# Altium PCB PCB1.PcbDoc (part 4 of 5)
Units mil, origin at the board's own origin, x right, y up, seen from the top; angles counter-clockwise.
Board outline 6250.19 x 5128.14 mil, 2 copper layers (Top Layer, Bottom Layer); 140 components, 0 nets, 729 pads, 141 vias.
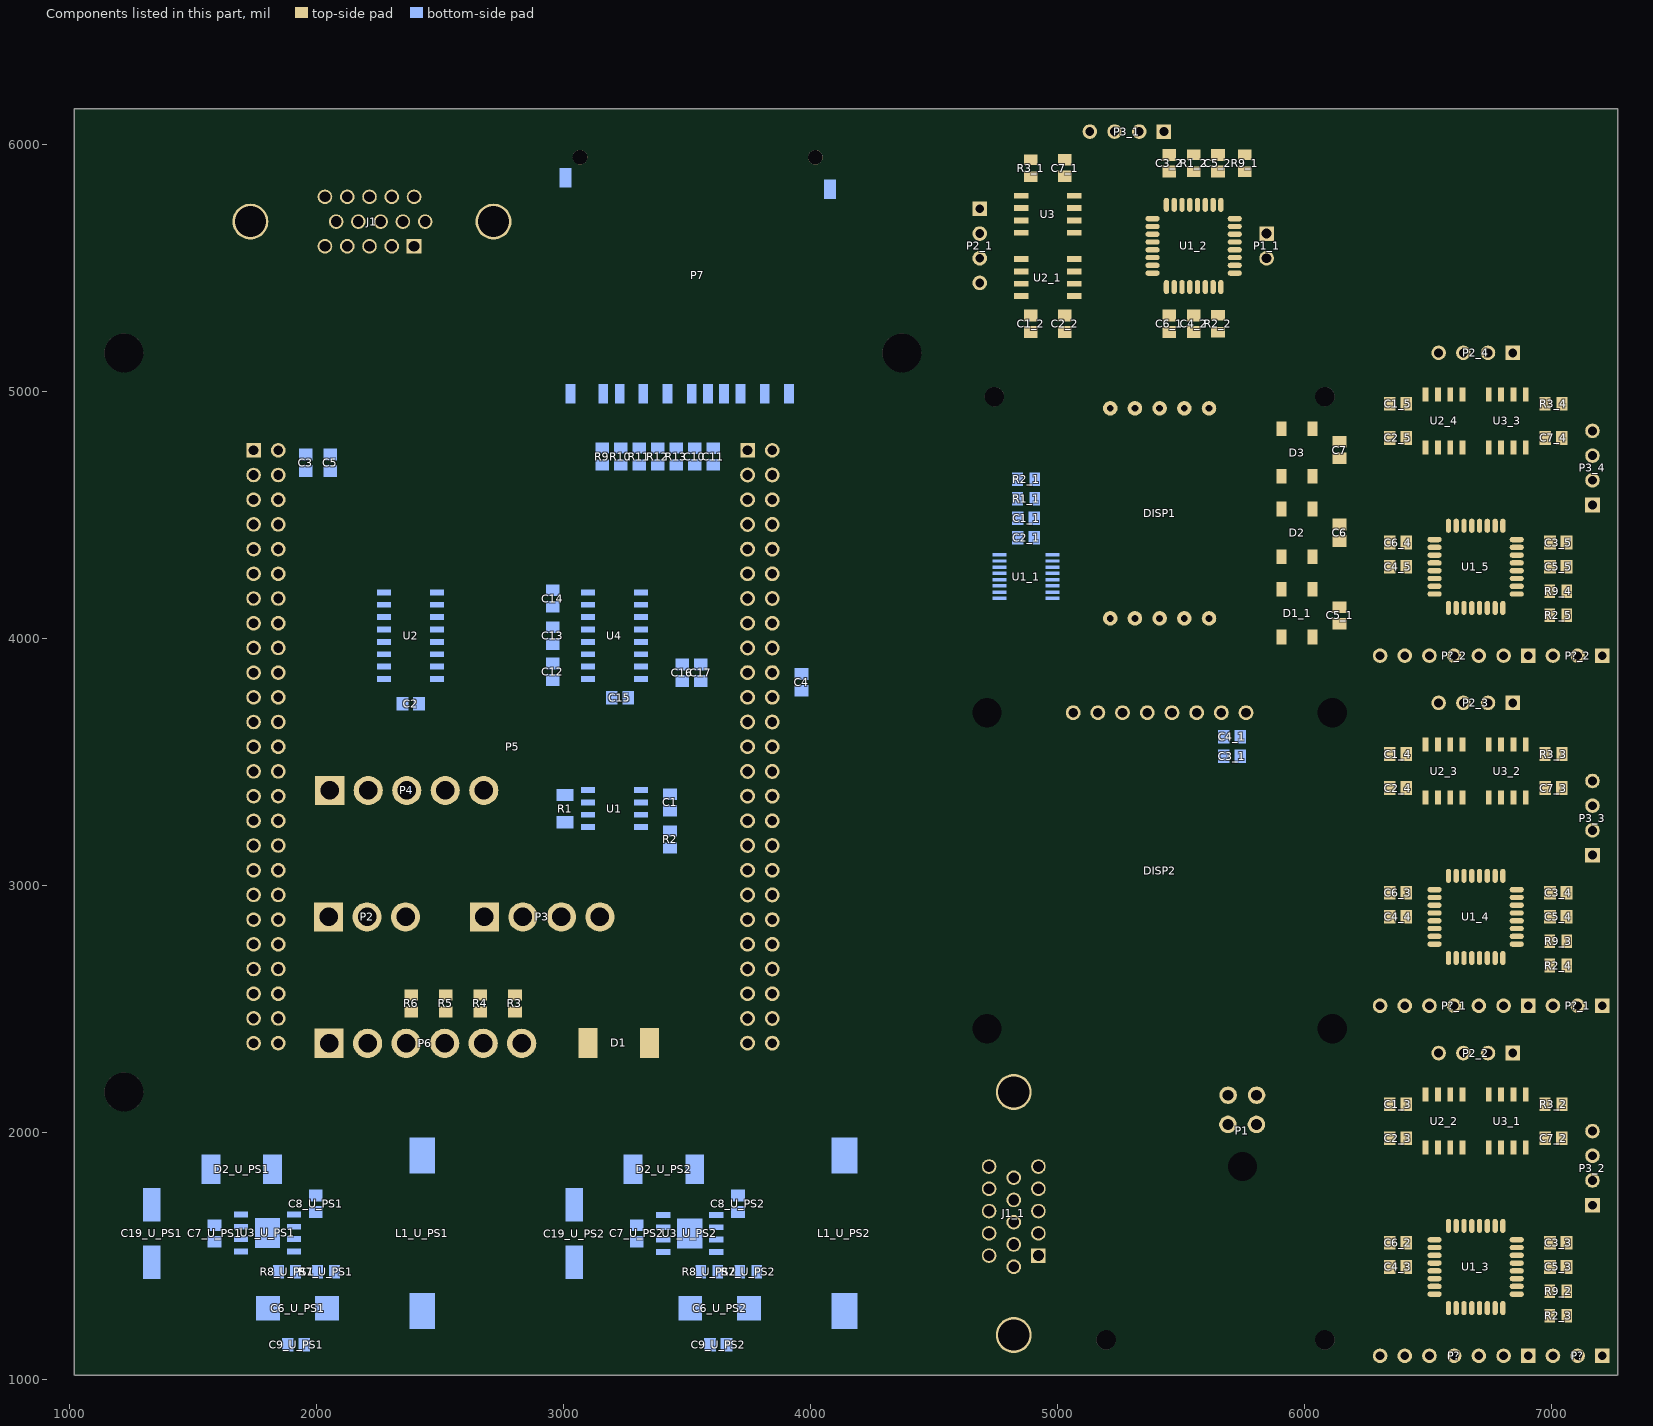
[diagram p4: the components of this part, seen from the top]

## Via types
v1: diameter 35.43/35.43 (per signal layer), hole 11.81, Top Layer to Bottom Layer, tented both sides, 115 vias
v2: diameter 47.24/47.24 (per signal layer), hole 19.68, Top Layer to Bottom Layer, tented both sides, 14 vias
v3: diameter 35.43, hole 11.81, Top Layer to Bottom Layer, tented both sides, 12 vias

## Nets (pads, with @x,y where several pads share a name; then routed paths per layer and width w, separated by ;. In a path a pad name is that pad's centre, name@x,y a point inside that pad or via, vN(x,y) a via of type N, cw(c..) or ccw(c..) an arc to the next point about the centre after c; other vN are vias at no path point) (continued)
copper on no net: (continued)
  Bottom Layer w1: 5490.7,1420.62 5493.7,1420.62 ; 5490.7,1421.62 5495.7,1421.62 ; 5490.7,1422.62 5496.7,1422.62 ; 5490.7,1423.62 5497.7,1423.62 ; 5490.7,1497.62 5512.7,1497.62 ; 5491.7,1285.62 5681.7,1285.62 ; 5491.7,1381.62 5499.7,1381.62 ; 5491.7,1511.62 5686.7,1511.62 ; 5492.7,1286.62 5679.7,1286.62 ; 5493.7,1287.62 5678.7,1287.62 ; 5493.7,1382.62 5499.7,1382.62 ; 5493.7,1496.62 5511.7,1496.62 ; 5494.7,1383.62 5499.7,1383.62 ; 5494.7,1510.62 5680.7,1510.62 ; 5495.7,1288.62 5677.7,1288.62 ; 5495.7,1384.62 5499.7,1384.62 ; 5495.7,1495.62 5511.7,1495.62 ; 5496.7,1289.62 5676.7,1289.62 ; 5496.7,1313.62 5508.7,1313.62 ; 5496.7,1314.62 5509.7,1314.62 ; 5496.7,1315.62 5509.7,1315.62 ; 5496.7,1385.62 5499.7,1385.62 ; 5497.7,1311.62 5506.7,1311.62 ; 5497.7,1312.62 5507.7,1312.62 ; 5497.7,1316.62 5510.7,1316.62 ; 5497.7,1317.62 5510.7,1317.62 ; 5497.7,1509.62 5674.7,1509.62 ; 5498.7,1290.62 5675.7,1290.62 ; 5498.7,1310.62 5505.7,1310.62 ; 5498.7,1318.62 5510.7,1318.62 ; 5498.7,1319.62 5511.7,1319.62 ; 5498.7,1386.62 5513.7,1386.62 ; 5498.7,1494.62 5511.7,1494.62 ; 5499.7,1309.62 5504.7,1309.62 ; 5499.7,1320.62 5511.7,1320.62 ; 5499.7,1321.62 5511.7,1321.62 ; 5499.7,1387.62 5516.7,1387.62 ; 5500.7,1291.62 5674.7,1291.62 ; 5500.7,1308.62 5503.7,1308.62 ; 5501.7,1493.62 5511.7,1493.62 ; 5501.7,1508.62 5669.7,1508.62 ; 5502.7,1292.62 5674.7,1292.62 ; 5504.7,1492.62 5514.7,1492.62 ; 5505.7,1293.62 5674.7,1293.62 ; 5505.7,1507.62 5664.7,1507.62 ; 5507.7,1491.62 5526.7,1491.62 ; 5508.7,1294.62 5673.7,1294.62 ; 5508.7,1506.62 5659.7,1506.62 ; 5511.7,1295.62 5673.7,1295.62 ; 5511.7,1388.62 5519.7,1388.62 ; 5511.7,1438.62 5513.7,1438.62 ; 5511.7,1439.62 5513.7,1439.62 ; 5511.7,1440.62 5513.7,1440.62 ; 5511.7,1441.62 5513.7,1441.62 ; 5511.7,1490.62 5526.7,1490.62 ; 5512.7,1434.62 5514.7,1434.62 ; 5512.7,1435.62 5514.7,1435.62 ; 5512.7,1436.62 5513.7,1436.62 ; 5512.7,1437.62 5513.7,1437.62 ; 5512.7,1505.62 5654.7,1505.62 ; 5513.7,1431.62 5515.7,1431.62 ; 5513.7,1432.62 5515.7,1432.62 ; 5513.7,1433.62 5514.7,1433.62 ; 5513.7,1488.62 5514.7,1488.62 ; 5513.7,1489.62 5514.7,1489.62 ; 5513.7,1493.62 5514.7,1493.62 ; 5514.7,1296.62 5673.7,1296.62 ; 5514.7,1429.62 5516.7,1429.62 ; 5514.7,1430.62 5515.7,1430.62 ; 5514.7,1485.62 5515.7,1485.62 ; 5514.7,1486.62 5515.7,1486.62 ; 5514.7,1487.62 5515.7,1487.62 ; 5514.7,1499.62 5516.7,1499.62 ; 5515.7,1427.62 5517.7,1427.62 ; 5515.7,1428.62 5516.7,1428.62 ; 5515.7,1481.62 5517.7,1481.62 ; 5515.7,1482.62 5517.7,1482.62 ; 5515.7,1483.62 5516.7,1483.62 ; 5515.7,1484.62 5516.7,1484.62 ; 5516.7,1297.62 5673.7,1297.62 ; 5516.7,1389.62 5521.7,1389.62 ; 5516.7,1425.62 5518.7,1425.62 ; 5516.7,1426.62 5517.7,1426.62 ; 5516.7,1489.62 5527.7,1489.62 ; 5516.7,1492.62 5525.7,1492.62 ; 5516.7,1500.62 5518.7,1500.62 ; 5516.7,1504.62 5649.7,1504.62 ; 5517.7,1298.62 5673.7,1298.62 ; 5517.7,1423.62 5519.7,1423.62 ; 5517.7,1424.62 5518.7,1424.62 ; 5517.7,1439.62 5532.7,1439.62 ; 5517.7,1440.62 5537.7,1440.62 ; 5517.7,1441.62 5537.7,1441.62 ; 5517.7,1442.62 5537.7,1442.62 ; 5517.7,1443.62 5537.7,1443.62 ; 5517.7,1444.62 5537.7,1444.62 ; 5517.7,1493.62 5524.7,1493.62 ; 5518.7,1299.62 5673.7,1299.62 ; 5518.7,1300.62 5673.7,1300.62 ; 5518.7,1420.62 5521.7,1420.62 ; 5518.7,1421.62 5520.7,1421.62 ; 5518.7,1422.62 5520.7,1422.62 ; 5518.7,1436.62 5533.7,1436.62 ; 5518.7,1437.62 5532.7,1437.62 ; 5518.7,1438.62 5532.7,1438.62 ; 5518.7,1445.62 5520.7,1445.62 ; 5518.7,1446.62 5519.7,1446.62 ; 5518.7,1447.62 5519.7,1447.62 ; 5518.7,1448.62 5519.7,1448.62 ; 5519.7,1301.62 5673.7,1301.62 ; 5519.7,1390.62 5523.7,1390.62 ; 5519.7,1418.62 5522.7,1418.62 ; 5519.7,1419.62 5521.7,1419.62 ; 5519.7,1433.62 5530.7,1433.62 ; 5519.7,1434.62 5530.7,1434.62 ; 5519.7,1435.62 5534.7,1435.62 ; 5519.7,1487.62 5528.7,1487.62 ; 5519.7,1488.62 5528.7,1488.62 ; 5519.7,1494.62 5524.7,1494.62 ; 5519.7,1503.62 5645.7,1503.62 ; 5520.7,1302.62 5637.7,1302.62 ; 5520.7,1303.62 5636.7,1303.62 ; 5520.7,1417.62 5522.7,1417.62 ; 5520.7,1431.62 5531.7,1431.62 ; 5520.7,1432.62 5530.7,1432.62 ; 5520.7,1485.62 5529.7,1485.62 ; 5520.7,1486.62 5529.7,1486.62 ; 5520.7,1495.62 5522.7,1495.62 ; 5520.7,1501.62 5636.7,1501.62 ; 5520.7,1502.62 5640.7,1502.62 ; 5521.7,1304.62 5635.7,1304.62 ; 5521.7,1391.62 5524.7,1391.62 ; 5521.7,1415.62 5524.7,1415.62 ; 5521.7,1416.62 5523.7,1416.62 ; 5521.7,1428.62 5534.7,1428.62 ; 5521.7,1429.62 5533.7,1429.62 ; 5521.7,1430.62 5532.7,1430.62 ; 5521.7,1465.62 5535.7,1465.62 ; 5521.7,1466.62 5535.7,1466.62 ; 5521.7,1467.62 5535.7,1467.62 ; 5521.7,1468.62 5535.7,1468.62 ; 5521.7,1469.62 5535.7,1469.62 ; 5521.7,1470.62 5535.7,1470.62 ; 5521.7,1471.62 5534.7,1471.62 ; 5521.7,1472.62 5534.7,1472.62 ; 5521.7,1473.62 5534.7,1473.62 ; 5521.7,1483.62 5530.7,1483.62 ; 5521.7,1484.62 5530.7,1484.62 ; 5522.7,1305.62 5634.7,1305.62 ; 5522.7,1306.62 5634.7,1306.62 ; 5522.7,1392.62 5525.7,1392.62 ; 5522.7,1413.62 5525.7,1413.62 ; 5522.7,1414.62 5524.7,1414.62 ; 5522.7,1426.62 5537.7,1426.62 ; 5522.7,1427.62 5535.7,1427.62 ; 5522.7,1455.62 5536.7,1455.62 ; 5522.7,1456.62 5536.7,1456.62 ; 5522.7,1457.62 5535.7,1457.62 ; 5522.7,1458.62 5535.7,1458.62 ; 5522.7,1459.62 5535.7,1459.62 ; 5522.7,1460.62 5535.7,1460.62 ; 5522.7,1461.62 5535.7,1461.62 ; 5522.7,1462.62 5535.7,1462.62 ; 5522.7,1463.62 5535.7,1463.62 ; 5522.7,1464.62 5535.7,1464.62 ; 5522.7,1474.62 5533.7,1474.62 ; 5522.7,1475.62 5533.7,1475.62 ; 5522.7,1476.62 5533.7,1476.62 ; 5522.7,1477.62 5532.7,1477.62 ; 5522.7,1478.62 5532.7,1478.62 ; 5522.7,1479.62 5532.7,1479.62 ; 5522.7,1480.62 5531.7,1480.62 ; 5522.7,1481.62 5531.7,1481.62 ; 5522.7,1482.62 5530.7,1482.62 ; 5523.7,1307.62 5633.7,1307.62 ; 5523.7,1308.62 5632.7,1308.62 ; 5523.7,1411.62 5526.7,1411.62 ; 5523.7,1412.62 5525.7,1412.62 ; 5523.7,1425.62 5538.7,1425.62 ; 5523.7,1445.62 5536.7,1445.62 ; 5523.7,1446.62 5536.7,1446.62 ; 5523.7,1447.62 5536.7,1447.62 ; 5523.7,1448.62 5536.7,1448.62 ; 5523.7,1449.62 5536.7,1449.62 ; 5523.7,1450.62 5536.7,1450.62 ; 5523.7,1451.62 5536.7,1451.62 ; 5523.7,1452.62 5536.7,1452.62 ; 5523.7,1453.62 5536.7,1453.62 ; 5523.7,1454.62 5536.7,1454.62 ; 5524.7,1309.62 5632.7,1309.62 ; 5524.7,1310.62 5631.7,1310.62 ; 5524.7,1393.62 5526.7,1393.62 ; 5524.7,1394.62 5530.7,1394.62 ; 5524.7,1400.62 5526.7,1400.62 ; 5524.7,1401.62 5526.7,1401.62 ; 5524.7,1402.62 5526.7,1402.62 ; 5524.7,1403.62 5527.7,1403.62 ; 5524.7,1404.62 5527.7,1404.62 ; 5524.7,1409.62 5527.7,1409.62 ; 5524.7,1410.62 5526.7,1410.62 ; 5524.7,1423.62 5541.7,1423.62 ; 5524.7,1424.62 5540.7,1424.62 ; 5524.7,1500.62 5632.7,1500.62 ; 5525.7,1311.62 5631.7,1311.62 ; 5525.7,1395.62 5529.7,1395.62 ; 5525.7,1396.62 5528.7,1396.62 ; 5525.7,1397.62 5528.7,1397.62 ; 5525.7,1398.62 5548.7,1398.62 ; 5525.7,1399.62 5557.7,1399.62 ; 5525.7,1405.62 5527.7,1405.62 ; 5525.7,1406.62 5527.7,1406.62 ; 5525.7,1407.62 5527.7,1407.62 ; 5525.7,1408.62 5527.7,1408.62 ; 5525.7,1421.62 5544.7,1421.62 ; 5525.7,1422.62 5543.7,1422.62 ; 5525.7,1499.62 5628.7,1499.62 ; 5526.7,1312.62 5630.7,1312.62 ; 5526.7,1313.62 5630.7,1313.62 ; 5526.7,1420.62 5546.7,1420.62 ; 5527.7,1314.62 5629.7,1314.62 ; 5527.7,1393.62 5530.7,1393.62 ; 5527.7,1418.62 5549.7,1418.62 ; 5527.7,1419.62 5548.7,1419.62 ; 5527.7,1497.62 5620.7,1497.62 ; 5527.7,1498.62 5624.7,1498.62 ; 5528.7,1315.62 5629.7,1315.62 ; 5528.7,1417.62 5551.7,1417.62 ; 5528.7,1496.62 5616.7,1496.62 ; 5529.7,1316.62 5628.7,1316.62 ; 5529.7,1391.62 5531.7,1391.62 ; 5529.7,1392.62 5531.7,1392.62 ; 5529.7,1415.62 5553.7,1415.62 ; 5529.7,1416.62 5552.7,1416.62 ; 5529.7,1495.62 5612.7,1495.62 ; 5530.7,1317.62 5622.7,1317.62 ; 5530.7,1318.62 5622.7,1318.62 ; 5530.7,1390.62 5532.7,1390.62 ; 5530.7,1400.62 5567.7,1400.62 ; 5530.7,1413.62 5555.7,1413.62 ; 5530.7,1414.62 5554.7,1414.62 ; 5530.7,1493.62 5606.7,1493.62 ; 5530.7,1494.62 5609.7,1494.62 ; 5531.7,1319.62 5622.7,1319.62 ; 5531.7,1388.62 5533.7,1388.62 ; 5531.7,1389.62 5533.7,1389.62 ; 5531.7,1401.62 5564.7,1401.62 ; 5531.7,1411.62 5556.7,1411.62 ; 5531.7,1412.62 5555.7,1412.62 ; 5531.7,1492.62 5602.7,1492.62 ; 5532.7,1320.62 5622.7,1320.62 ; 5532.7,1387.62 5534.7,1387.62 ; 5532.7,1402.62 5562.7,1402.62 ; 5532.7,1403.62 5561.7,1403.62 ; 5532.7,1404.62 5560.7,1404.62 ; 5532.7,1405.62 5559.7,1405.62 ; 5532.7,1406.62 5559.7,1406.62 ; 5532.7,1407.62 5558.7,1407.62 ; 5532.7,1408.62 5558.7,1408.62 ; 5532.7,1409.62 5557.7,1409.62 ; 5532.7,1410.62 5557.7,1410.62 ; 5532.7,1490.62 5597.7,1490.62 ; 5532.7,1491.62 5599.7,1491.62 ; 5533.7,1321.62 5621.7,1321.62 ; 5533.7,1385.62 5535.7,1385.62 ; 5533.7,1386.62 5535.7,1386.62 ; 5533.7,1434.62 5535.7,1434.62 ; 5533.7,1489.62 5594.7,1489.62 ; 5534.7,1322.62 5621.7,1322.62 ; 5534.7,1383.62 5536.7,1383.62 ; 5534.7,1384.62 5536.7,1384.62 ; 5534.7,1487.62 5590.7,1487.62 ; 5534.7,1488.62 5592.7,1488.62 ; 5535.7,1323.62 5621.7,1323.62 ; 5535.7,1381.62 5537.7,1381.62 ; 5535.7,1382.62 5537.7,1382.62 ; 5535.7,1433.62 5536.7,1433.62 ; 5535.7,1439.62 5537.7,1439.62 ; 5535.7,1485.62 5586.7,1485.62 ; 5535.7,1486.62 5588.7,1486.62 ; 5536.7,1324.62 5620.7,1324.62 ; 5536.7,1379.62 5538.7,1379.62 ; 5536.7,1380.62 5538.7,1380.62 ; 5536.7,1432.62 5538.7,1432.62 ; 5536.7,1483.62 5585.7,1483.62 ; 5536.7,1484.62 5585.7,1484.62 ; 5537.7,1325.62 5620.7,1325.62 ; 5537.7,1377.62 5539.7,1377.62 ; 5537.7,1378.62 5539.7,1378.62 ; 5537.7,1431.62 5539.7,1431.62 ; 5537.7,1438.62 5538.7,1438.62 ; 5537.7,1481.62 5580.7,1481.62 ; 5537.7,1482.62 5587.7,1482.62 ; 5538.7,1326.62 5619.7,1326.62 ; 5538.7,1374.62 5541.7,1374.62 ; 5538.7,1375.62 5540.7,1375.62 ; 5538.7,1376.62 5540.7,1376.62 ; 5538.7,1478.62 5578.7,1478.62 ; 5538.7,1479.62 5578.7,1479.62 ; 5538.7,1480.62 5579.7,1480.62 ; 5539.7,1327.62 5618.7,1327.62 ; 5539.7,1372.62 5541.7,1372.62 ; 5539.7,1373.62 5541.7,1373.62 ; 5539.7,1430.62 5541.7,1430.62 ; 5539.7,1475.62 5574.7,1475.62 ; 5539.7,1476.62 5575.7,1476.62 ; 5539.7,1477.62 5578.7,1477.62 ; 5540.7,1328.62 5618.7,1328.62 ; 5540.7,1370.62 5542.7,1370.62 ; 5540.7,1371.62 5542.7,1371.62 ; 5540.7,1429.62 5542.7,1429.62 ; 5541.7,1329.62 5617.7,1329.62 ; 5541.7,1348.62 5542.7,1348.62 ; 5541.7,1367.62 5543.7,1367.62 ; 5541.7,1368.62 5543.7,1368.62 ; 5541.7,1369.62 5543.7,1369.62 ; 5542.7,1330.62 5616.7,1330.62 ; 5542.7,1349.62 5543.7,1349.62 ; 5542.7,1350.62 5545.7,1350.62 ; 5542.7,1351.62 5546.7,1351.62 ; 5542.7,1352.62 5548.7,1352.62 ; 5542.7,1353.62 5549.7,1353.62 ; 5542.7,1363.62 5544.7,1363.62 ; 5542.7,1364.62 5544.7,1364.62 ; 5542.7,1365.62 5544.7,1365.62 ; 5542.7,1366.62 5544.7,1366.62 ; 5542.7,1428.62 5543.7,1428.62 ; 5542.7,1474.62 5572.7,1474.62 ; 5543.7,1331.62 5615.7,1331.62 ; 5543.7,1332.62 5615.7,1332.62 ; 5543.7,1354.62 5551.7,1354.62 ; 5543.7,1355.62 5545.7,1355.62 ; 5543.7,1356.62 5545.7,1356.62 ; 5543.7,1357.62 5545.7,1357.62 ; 5543.7,1358.62 5545.7,1358.62 ; 5543.7,1359.62 5544.7,1359.62 ; 5543.7,1360.62 5544.7,1360.62 ; 5543.7,1361.62 5544.7,1361.62 ; 5543.7,1362.62 5544.7,1362.62 ; 5543.7,1427.62 5545.7,1427.62 ; 5544.7,1333.62 5614.7,1333.62 ; 5544.7,1334.62 5613.7,1334.62 ; 5544.7,1426.62 5546.7,1426.62 ; 5544.7,1473.62 5571.7,1473.62 ; 5545.7,1335.62 5612.7,1335.62 ; 5546.7,1336.62 5611.7,1336.62 ; 5546.7,1425.62 5547.7,1425.62 ; 5546.7,1472.62 5570.7,1472.62 ; 5547.7,1337.62 5609.7,1337.62 ; 5547.7,1471.62 5569.7,1471.62 ; 5548.7,1338.62 5608.7,1338.62 ; 5549.7,1339.62 5607.7,1339.62 ; 5549.7,1355.62 5553.7,1355.62 ; 5549.7,1470.62 5568.7,1470.62 ; 5550.7,1469.62 5566.7,1469.62 ; 5551.7,1340.62 5606.7,1340.62 ; 5551.7,1356.62 5556.7,1356.62 ; 5552.7,1468.62 5565.7,1468.62 ; 5553.7,1341.62 5572.7,1341.62 ; 5553.7,1357.62 5559.7,1357.62 ; 5553.7,1467.62 5563.7,1467.62 ; 5554.7,1466.62 5558.7,1466.62 ; 5556.7,1342.62 5571.7,1342.62 ; 5556.7,1358.62 5562.7,1358.62 ; 5556.7,1465.62 5558.7,1465.62 ; 5557.7,1464.62 5559.7,1464.62 ; 5558.7,1463.62 5560.7,1463.62 ; 5559.7,1343.62 5569.7,1343.62 ; 5559.7,1359.62 5566.7,1359.62 ; 5559.7,1462.62 5561.7,1462.62 ; 5560.7,1347.62 5564.7,1347.62 ; 5560.7,1348.62 5563.7,1348.62 ; 5560.7,1349.62 5563.7,1349.62 ; 5560.7,1399.62 5570.7,1399.62 ; 5560.7,1461.62 5562.7,1461.62 ; 5561.7,1344.62 5568.7,1344.62 ; 5561.7,1350.62 5563.7,1350.62 ; 5561.7,1351.62 5564.7,1351.62 ; 5561.7,1460.62 5578.7,1460.62 ; 5562.7,1346.62 5566.7,1346.62 ; 5562.7,1352.62 5565.7,1352.62 ; 5562.7,1360.62 5576.7,1360.62 ; 5562.7,1459.62 5578.7,1459.62 ; 5563.7,1345.62 5567.7,1345.62 ; 5563.7,1353.62 5566.7,1353.62 ; 5563.7,1458.62 5578.7,1458.62 ; 5564.7,1354.62 5567.7,1354.62 ; 5564.7,1398.62 5572.7,1398.62 ; 5564.7,1456.62 5578.7,1456.62 ; 5564.7,1457.62 5578.7,1457.62 ; 5564.7,1461.62 5578.7,1461.62 ; 5565.7,1355.62 5568.7,1355.62 ; 5565.7,1361.62 5577.7,1361.62 ; 5565.7,1455.62 5578.7,1455.62 ; 5566.7,1454.62 5578.7,1454.62 ; 5566.7,1462.62 5577.7,1462.62 ; 5567.7,1356.62 5569.7,1356.62 ; 5567.7,1397.62 5575.7,1397.62 ; 5567.7,1452.62 5578.7,1452.62 ; 5567.7,1453.62 5578.7,1453.62 ; 5567.7,1463.62 5577.7,1463.62 ; 5568.7,1357.62 5571.7,1357.62 ; 5568.7,1451.62 5578.7,1451.62 ; 5569.7,1358.62 5572.7,1358.62 ; 5569.7,1359.62 5574.7,1359.62 ; 5569.7,1362.62 5579.7,1362.62 ; 5569.7,1450.62 5577.7,1450.62 ; 5569.7,1464.62 5577.7,1464.62 ; 5570.7,1449.62 5577.7,1449.62 ; 5570.7,1465.62 5577.7,1465.62 ; 5571.7,1396.62 5577.7,1396.62 ; 5571.7,1447.62 5576.7,1447.62 ; 5571.7,1448.62 5577.7,1448.62 ; 5572.7,1363.62 5581.7,1363.62 ; 5572.7,1446.62 5576.7,1446.62 ; 5572.7,1466.62 5577.7,1466.62 ; 5573.7,1445.62 5576.7,1445.62 ; 5574.7,1395.62 5579.7,1395.62 ; 5574.7,1443.62 5575.7,1443.62 ; 5574.7,1444.62 5576.7,1444.62 ; 5574.7,1467.62 5577.7,1467.62 ; 5575.7,1341.62 5604.7,1341.62 ; 5575.7,1468.62 5577.7,1468.62 ; 5576.7,1364.62 5583.7,1364.62 ; 5576.7,1469.62 5577.7,1469.62 ; 5576.7,1470.62 5577.7,1470.62 ; 5576.7,1471.62 5577.7,1471.62 ; 5576.7,1472.62 5577.7,1472.62 ; 5576.7,1473.62 5577.7,1473.62 ; 5576.7,1474.62 5577.7,1474.62 ; 5576.7,1475.62 5577.7,1475.62 ; 5576.7,1476.62 5577.7,1476.62 ; 5577.7,1342.62 5602.7,1342.62 ; 5578.7,1343.62 5601.7,1343.62 ; 5578.7,1394.62 5582.7,1394.62 ; 5579.7,1365.62 5585.7,1365.62 ; 5579.7,1430.62 5593.7,1430.62 ; 5580.7,1344.62 5598.7,1344.62 ; 5580.7,1429.62 5593.7,1429.62 ; 5580.7,1431.62 5593.7,1431.62 ; 5580.7,1432.62 5592.7,1432.62 ; 5580.7,1433.62 5592.7,1433.62 ; 5580.7,1434.62 5592.7,1434.62 ; 5580.7,1435.62 5592.7,1435.62 ; 5580.7,1436.62 5592.7,1436.62 ; 5580.7,1437.62 5591.7,1437.62 ; 5580.7,1438.62 5591.7,1438.62 ; 5580.7,1439.62 5591.7,1439.62 ; 5580.7,1440.62 5591.7,1440.62 ; 5581.7,1393.62 5585.7,1393.62 ; 5581.7,1428.62 5593.7,1428.62 ; 5581.7,1441.62 5591.7,1441.62 ; 5581.7,1442.62 5590.7,1442.62 ; 5581.7,1443.62 5590.7,1443.62 ; 5581.7,1444.62 5590.7,1444.62 ; 5581.7,1445.62 5590.7,1445.62 ; 5581.7,1468.62 5590.7,1468.62 ; 5581.7,1469.62 5590.7,1469.62 ; 5581.7,1470.62 5591.7,1470.62 ; 5581.7,1471.62 5590.7,1471.62 ; 5581.7,1472.62 5589.7,1472.62 ; 5581.7,1473.62 5588.7,1473.62 ; 5581.7,1474.62 5587.7,1474.62 ; 5582.7,1345.62 5595.7,1345.62 ; 5582.7,1366.62 5586.7,1366.62 ; 5582.7,1427.62 5593.7,1427.62 ; 5582.7,1446.62 5589.7,1446.62 ; 5582.7,1447.62 5589.7,1447.62 ; 5582.7,1448.62 5589.7,1448.62 ; 5582.7,1449.62 5589.7,1449.62 ; 5582.7,1450.62 5589.7,1450.62 ; 5582.7,1451.62 5589.7,1451.62 ; 5582.7,1452.62 5589.7,1452.62 ; 5582.7,1458.62 5590.7,1458.62 ; 5582.7,1459.62 5590.7,1459.62 ; 5582.7,1460.62 5590.7,1460.62 ; 5582.7,1461.62 5590.7,1461.62 ; 5582.7,1462.62 5590.7,1462.62 ; 5582.7,1463.62 5590.7,1463.62 ; 5582.7,1464.62 5590.7,1464.62 ; 5582.7,1465.62 5590.7,1465.62 ; 5582.7,1466.62 5590.7,1466.62 ; 5582.7,1467.62 5590.7,1467.62 ; 5582.7,1475.62 5586.7,1475.62 ; 5582.7,1476.62 5585.7,1476.62 ; 5583.7,1426.62 5593.7,1426.62 ; 5583.7,1453.62 5589.7,1453.62 ; 5583.7,1454.62 5589.7,1454.62 ; 5583.7,1455.62 5589.7,1455.62 ; 5583.7,1456.62 5590.7,1456.62 ; 5583.7,1457.62 5590.7,1457.62 ; 5583.7,1477.62 5584.7,1477.62 ; 5584.7,1425.62 5593.7,1425.62 ; 5585.7,1367.62 5588.7,1367.62 ; 5585.7,1392.62 5587.7,1392.62 ; 5585.7,1424.62 5593.7,1424.62 ; 5586.7,1423.62 5593.7,1423.62 ; 5587.7,1422.62 5593.7,1422.62 ; 5587.7,1481.62 5589.7,1481.62 ; 5588.7,1391.62 5590.7,1391.62 ; 5588.7,1421.62 5593.7,1421.62 ; 5589.7,1420.62 5593.7,1420.62 ; 5589.7,1480.62 5613.7,1480.62 ; 5590.7,1418.62 5594.7,1418.62 ; 5590.7,1419.62 5594.7,1419.62 ; 5591.7,1417.62 5594.7,1417.62 ; 5591.7,1471.62 5593.7,1471.62 ; 5591.7,1474.62 5592.7,1474.62 ; 5591.7,1479.62 5610.7,1479.62 ; 5591.7,1481.62 5616.7,1481.62 ; 5592.7,1415.62 5595.7,1415.62 ; 5592.7,1416.62 5594.7,1416.62 ; 5592.7,1472.62 5598.7,1472.62 ; 5592.7,1473.62 5594.7,1473.62 ; 5592.7,1478.62 5607.7,1478.62 ; 5593.7,1413.62 5595.7,1413.62 ; 5593.7,1414.62 5595.7,1414.62 ; 5593.7,1477.62 5605.7,1477.62 ; 5593.7,1482.62 5619.7,1482.62 ; 5594.7,1411.62 5595.7,1411.62 ; 5594.7,1412.62 5595.7,1412.62 ; 5594.7,1448.62 5978.7,1448.62 ; 5594.7,1449.62 5978.7,1449.62 ; 5594.7,1450.62 5978.7,1450.62 ; 5594.7,1451.62 5978.7,1451.62 ; 5594.7,1452.62 5978.7,1452.62 ; 5594.7,1453.62 5978.7,1453.62 ; 5594.7,1476.62 5603.7,1476.62 ; 5595.7,1410.62 5596.7,1410.62 ; 5595.7,1444.62 5978.7,1444.62 ; 5595.7,1445.62 5978.7,1445.62 ; 5595.7,1446.62 5978.7,1446.62 ; 5595.7,1447.62 5978.7,1447.62 ; 5595.7,1454.62 5978.7,1454.62 ; 5595.7,1455.62 5978.7,1455.62 ; 5595.7,1456.62 5978.7,1456.62 ; 5595.7,1457.62 5978.7,1457.62 ; 5595.7,1475.62 5601.7,1475.62 ; 5595.7,1483.62 5622.7,1483.62 ; 5596.7,1441.62 5608.7,1441.62 ; 5596.7,1442.62 5617.7,1442.62 ; 5596.7,1443.62 5978.7,1443.62 ; 5596.7,1458.62 5978.7,1458.62 ; 5596.7,1459.62 5978.7,1459.62 ; 5596.7,1460.62 5978.7,1460.62 ; 5596.7,1461.62 5978.7,1461.62 ; 5596.7,1462.62 5978.7,1462.62 ; 5596.7,1463.62 5978.7,1463.62 ; 5596.7,1464.62 5978.7,1464.62 ; 5596.7,1465.62 5978.7,1465.62 ; 5596.7,1466.62 5978.7,1466.62 ; 5596.7,1467.62 5978.7,1467.62 ; 5596.7,1468.62 5978.7,1468.62 ; 5596.7,1469.62 5598.7,1469.62 ; 5596.7,1470.62 5598.7,1470.62 ; 5596.7,1471.62 5598.7,1471.62 ; 5596.7,1473.62 5598.7,1473.62 ; 5596.7,1474.62 5599.7,1474.62 ; 5597.7,1437.62 5600.7,1437.62 ; 5597.7,1438.62 5599.7,1438.62 ; 5597.7,1439.62 5599.7,1439.62 ; 5597.7,1440.62 5599.7,1440.62 ; 5597.7,1484.62 5626.7,1484.62 ; 5598.7,1430.62 5978.7,1430.62 ; 5598.7,1431.62 5666.7,1431.62 ; 5598.7,1432.62 5662.7,1432.62 ; 5598.7,1433.62 5659.7,1433.62 ; 5598.7,1434.62 5656.7,1434.62 ; 5598.7,1435.62 5600.7,1435.62 ; 5598.7,1436.62 5600.7,1436.62 ; 5599.7,1422.62 5978.7,1422.62 ; 5599.7,1423.62 5978.7,1423.62 ; 5599.7,1424.62 5978.7,1424.62 ; 5599.7,1425.62 5978.7,1425.62 ; 5599.7,1426.62 5978.7,1426.62 ; 5599.7,1427.62 5978.7,1427.62 ; 5599.7,1428.62 5978.7,1428.62 ; 5599.7,1429.62 5978.7,1429.62 ; 5599.7,1485.62 5629.7,1485.62 ; 5600.7,1415.62 5671.7,1415.62 ; 5600.7,1416.62 5671.7,1416.62 ; 5600.7,1417.62 5671.7,1417.62 ; 5600.7,1418.62 5978.7,1418.62 ; 5600.7,1419.62 5978.7,1419.62 ; 5600.7,1420.62 5978.7,1420.62 ; 5600.7,1421.62 5978.7,1421.62 ; 5601.7,1407.62 5671.7,1407.62 ; 5601.7,1408.62 5671.7,1408.62 ; 5601.7,1409.62 5671.7,1409.62 ; 5601.7,1410.62 5671.7,1410.62 ; 5601.7,1411.62 5671.7,1411.62 ; 5601.7,1412.62 5671.7,1412.62 ; 5601.7,1413.62 5671.7,1413.62 ; 5601.7,1414.62 5671.7,1414.62 ; 5602.7,1402.62 5617.7,1402.62 ; 5602.7,1403.62 5617.7,1403.62 ; 5602.7,1404.62 5671.7,1404.62 ; 5602.7,1405.62 5671.7,1405.62 ; 5602.7,1406.62 5671.7,1406.62 ; 5602.7,1469.62 5978.7,1469.62 ; 5602.7,1486.62 5633.7,1486.62 ; 5603.7,1400.62 5617.7,1400.62 ; 5603.7,1401.62 5617.7,1401.62 ; 5603.7,1435.62 5652.7,1435.62 ; 5604.7,1399.62 5617.7,1399.62 ; 5604.7,1470.62 5978.7,1470.62 ; 5605.7,1398.62 5617.7,1398.62 ; 5605.7,1487.62 5637.7,1487.62 ; 5607.7,1397.62 5617.7,1397.62 ; 5607.7,1471.62 5978.7,1471.62 ; 5607.7,1488.62 5640.7,1488.62 ; 5609.7,1396.62 5617.7,1396.62 ; 5609.7,1472.62 5978.7,1472.62 ; 5610.7,1489.62 5644.7,1489.62 ; 5612.7,1395.62 5617.7,1395.62 ; 5612.7,1473.62 5978.7,1473.62 ; 5613.7,1436.62 5646.7,1436.62 ; 5613.7,1490.62 5648.7,1490.62 ; 5614.7,1474.62 5978.7,1474.62 ; 5617.7,1475.62 5978.7,1475.62 ; 5617.7,1491.62 5652.7,1491.62 ; 5619.7,1403.62 5671.7,1403.62 ; 5620.7,1402.62 5671.7,1402.62 ; 5620.7,1476.62 5978.7,1476.62 ; 5620.7,1492.62 5656.7,1492.62 ; 5621.7,1401.62 